# Altium PCB Controller.PcbDoc (part 2 of 2)
Units mm, origin at the board's own origin, x right, y up, seen from the top; angles counter-clockwise.
Board outline 95 x 95 mm, 4 copper layers (Top Layer, Layer 1, Layer 2, Bottom Layer), stack 0.603 mm thick; 159 components, 142 nets, 467 pads, 252 vias.
Unrouted connection lines stored in the file: 41.
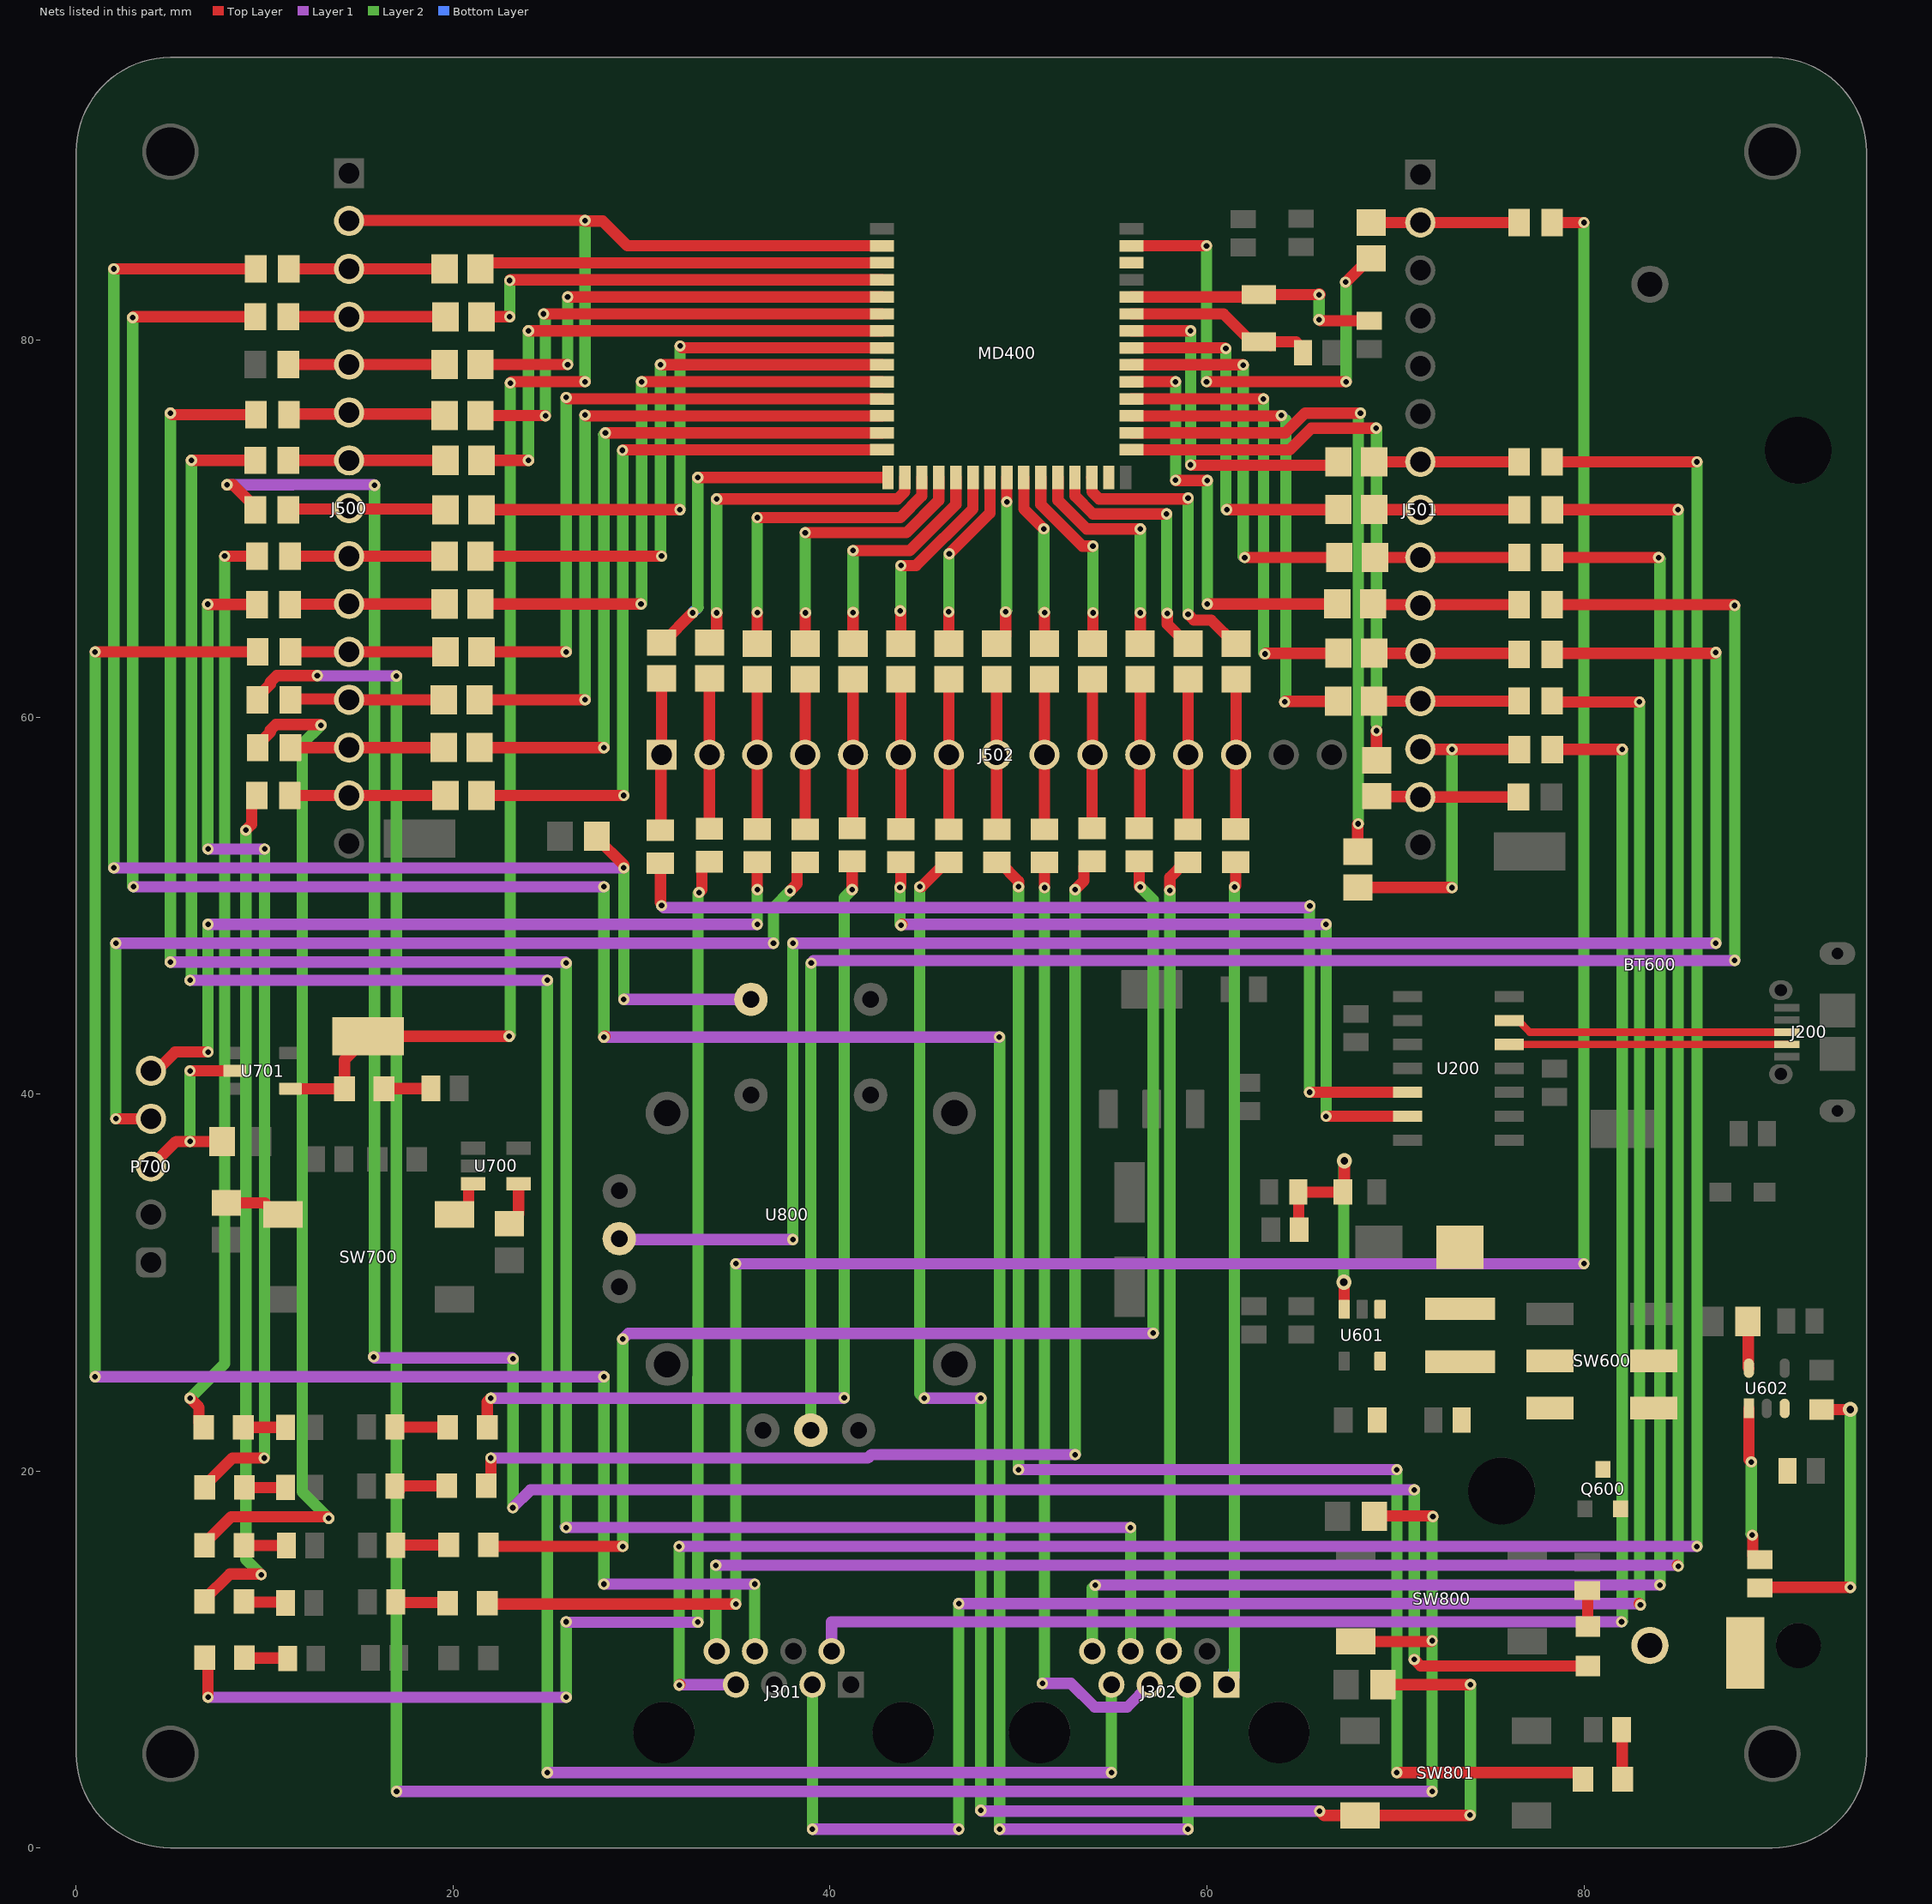
[diagram p4: the nets of this part, all layers, seen from the top]

## Via types
v1: diameter 0.6, hole 0.3, Top Layer to Bottom Layer, 239 vias
v2: diameter 0.8, hole 0.4, Top Layer to Bottom Layer, 9 vias
v3: diameter 1.27, hole 0.711, Top Layer to Bottom Layer, 4 vias

## Nets (pads, with @x,y where several pads share a name; then routed paths per layer and width w, separated by ;. In a path a pad name is that pad's centre, name@x,y a point inside that pad or via, vN(x,y) a via of type N, cw(c..) or ccw(c..) an arc to the next point about the centre after c; other vN are vias at no path point) (continued)
J5.1: J302.3 R500.2 | length 150.5
  Top Layer w0.6: v1(3,81.195) 3.044,81.239 R500.2@9.5,81.239 ; v1(28,43.02) v1@28.049,43.069
  Layer 1 w0.6: v1(3.035,51) v1(28,51) ; v1(28,43.02) 48.978,43.02 v1(48.985,43.027) ; v1(49,1) v1(58.994,1)
  Layer 2 w0.6: v1@3,51.035 v1(3,81.195) ; v1(28,43.02) v1(28,51) ; v1(48.985,43.027) 48.995,43.016 48.995,1.005 v1(49,1) ; J302.3@58.955,8.628 58.994,8.588 v1(58.994,1)
  Bottom Layer w0.6: v1@3,51.035 v1(3.035,51) ; J302.3@58.955,8.628 J302.3@58.994,8.667
J5.2: J302.6 R502.2 | length 121.2
  Top Layer w0.6: v1(5,76.126) 5.086,76.04 R502.2@9.54,76.04
  Layer 1 w0.6: v1(5,47) 25.951,47 v1(26,46.951) ; v1(26,17) v1(55.946,17)
  Layer 2 w0.6: v1(5,47) v1(5,76.126) ; v1(26,17) v1(26,46.951) ; J302.6@55.946,10.445 v1(55.946,17)
  Bottom Layer w0.6: v1@25.951,17.049 v1(26,17)
J5.3: J302.7 R504.2 | length 126.6
  Top Layer w0.6: v1(6.117,73.619) R504.2@9.5,73.619
  Layer 1 w0.6: v1(6.038,46.041) v1(25,46.041) ; v1(25,4) v1(54.93,4)
  Layer 2 w0.6: v1@6.117,46.121 v1(6.117,73.619) ; v1(25,4) v1(25,46.041) ; v1(54.93,4) J302.7@54.93,8.667
  Bottom Layer w0.6: v1(6.038,46.041) v1@6.117,46.121
J9.0: J302.1 R522.2 | length 43.8
  Top Layer w0.6: v1(61.46,50.981) 61.529,51.05 R522.2@61.529,52.299
  Layer 2 w0.6: 61.46,9.413 v1(61.46,50.981)
  Bottom Layer w0.6: J302.1@61.026,8.667 61.421,9.062 61.421,9.375 61.46,9.413
J9.1: J302.4 R521.2 | length 42.3
  Top Layer w0.6: v1(58.032,50.806) 58.032,51.488 58.836,52.292 R521.2@58.986,52.292
  Layer 2 w0.6: J302.4@58,10.467 58.032,10.498 v1(58.032,50.806)
J9.2: J302.5 R520.2 | length 50.3
  Top Layer w0.6: v1(51.38,50.951) R520.2@51.38,52.292
  Layer 1 w0.6: v1(51.268,8.737) 52.778,8.737 54.044,7.472 55.767,7.472 J302.5@56.962,8.667
  Layer 2 w0.6: v1@51.38,8.849 v1(51.38,50.951)
  Bottom Layer w0.6: v1(51.268,8.737) v1@51.38,8.849
J9.3: J302.8 R507.2 | length 93.8
  Top Layer w0.6: R507.2@78.324,68.46 v1(83.965,68.46)
  Layer 1 w0.6: v1(54.069,13.938) 54.082,13.951 v1(84.037,13.951)
  Layer 2 w0.6: J302.8@54.044,10.574 53.914,10.704 53.914,13.783 v1(54.069,13.938) ; v1(84.037,13.951) v1@84.037,68.388
  Bottom Layer w0.6: J302.8@53.914,10.445 J302.8@54.044,10.574 ; v1(83.965,68.46) v1@84.037,68.388
J10.0: J301.2 R513.2 | length 93.5
  Top Layer w0.6: R513.2@78.324,58.277 78.336,58.288 v1(82.035,58.288)
  Layer 1 w0.6: J301.2@40.08,10.445 40.08,12 v1(82,12)
  Layer 2 w0.6: v1@82.035,12.035 v1(82.035,58.288)
  Bottom Layer w0.6: v1(82,12) v1@82.035,12.035
J10.1: J301.3 R511.2 | length 116.2
  Top Layer w0.6: R511.2@78.313,60.854 78.362,60.805 v1(82.951,60.805) ; v1@82.937,12.964 v1(83,12.901)
  Layer 1 w0.6: v1(39.064,1) v1(46.83,1) ; v1(46.83,12.964) v1@82.937,12.964
  Layer 2 w0.6: v1(39.064,1) J301.3@39.064,8.667 ; v1(46.83,1) v1(46.83,12.964) ; v1@82.951,12.95 v1(82.951,60.805)
  Bottom Layer w0.6: v1(46.83,12.964) v1@46.845,12.949 ; v1@82.951,12.95 v1(83,12.901)
J10.2: J301.6 R510.2 | length 96.6
  Top Layer w0.6: v1(1,63.459) R510.2@9.625,63.459
  Layer 1 w0.6: v1(1,25) v1(28,25) ; v1(28,14) v1(36,14)
  Layer 2 w0.6: v1(1,25) v1(1,63.459) ; v1(28,14) v1(28,25) ; v1(36,14) 36.002,13.998 J301.6@36.002,10.459
  Bottom Layer w0.6: J301.6@36.002,10.459 J301.6@36.016,10.445
J10.3: J301.7 R503.2 | length 129.6
  Top Layer w0.6: v1(32,8.638) v1@32.029,8.667 ; R503.2@78.313,73.54 v1(86,73.54)
  Layer 1 w0.6: v1(31.989,16) v1(86,16) ; v1@32.029,8.667 J301.7@35,8.667
  Layer 2 w0.6: v1(31.989,16) 31.989,10.114 32,10.103 v1(32,8.638) ; v1(86,16) v1(86,73.54)
J10.4: J301.8 R505.2 | length 118.4
  Top Layer w0.6: R505.2@78.324,71 84.996,71 v1(85,71.004) ; v1@84.96,15 v1(85.009,14.951)
  Layer 1 w0.6: v1(33.935,15) v1@84.96,15
  Layer 2 w0.6: J301.8@33.935,10.494 v1(33.935,15) ; v1@85,14.96 v1(85,71.004)
  Bottom Layer w0.6: J301.8@33.935,10.494 J301.8@33.984,10.445 ; v1@85,14.96 v1(85.009,14.951)
JS_HOR: R508.2 U800.H2 | length 102.4
  Top Layer w0.6: R508.2@78.313,65.96 87.96,65.96 v1(88,65.92)
  Layer 1 w0.6: v1(39,46.951) 39.128,47.078 87.983,47.078 v1(88,47.096)
  Layer 2 w0.6: U800.H2@38.977,22.166 38.977,46.928 v1(39,46.951) ; v1(88,47.096) v1(88,65.92)
JS_PB: R523.2 R814.1 U800.B1A | length 83.1
  Top Layer w0.6: v1(2,83.779) R523.2@9.525,83.779 R523.2@9.525,83.629 ; R814.1@27.997,54.162 27.622,53.787 R814.1@27.622,53.687 27.622,53.587 29.053,52.156 v1(29.053,52)
  Layer 1 w0.6: v1(2,52) v1(29.053,52) ; v1(29.053,45.026) U800.B1A@35.802,45.026
  Layer 2 w0.6: v1(2,52) v1(2,83.779) ; v1(29.053,45.026) v1(29.053,52)
JS_VERT: R509.2 U800.V2 | length 98.1
  Top Layer w0.6: R509.2@78.313,63.331 78.539,63.331 78.588,63.38 86.954,63.38 v1(87,63.426)
  Layer 1 w0.6: U800.V2@28.817,32.326 28.864,32.279 v1(38.025,32.279) ; v1(38.025,48) v1(87,48)
  Layer 2 w0.6: v1(38.025,32.279) v1(38.025,48) ; v1(87,48) v1(87,63.426)
MCP_URX: R514.2 U200.5 | length 51.7
  Top Layer w0.6: v1@31,50.148 R514.2@31,52.25 ; v1(65.442,40.099) 65.45,40.09 U200.5@70.64,40.09
  Layer 1 w0.6: v1(31.06,50) 31.167,49.893 65.37,49.893 v1(65.459,49.981)
  Layer 2 w0.6: v1(65.442,40.099) v1@65.442,49.964
  Bottom Layer w0.6: v1@65.442,49.964 v1(65.459,49.981)
MCP_UTX: R517.2 U200.6 | length 40.5
  Top Layer w0.6: v1(43.711,50.963) 43.753,51.006 43.753,52.292 R517.2@43.76,52.299 ; v1(43.769,48.958) v1@43.81,49 ; v1(66.318,38.82) U200.6@70.64,38.82
  Layer 1 w0.6: v1@43.81,49 v1(66.318,49)
  Layer 2 w0.6: v1@43.711,49.016 v1(43.711,50.963) ; v1(66.318,38.82) v1(66.318,49)
  Bottom Layer w0.6: v1@43.711,49.016 v1(43.769,48.958)
MR: SW700.2 U700.3 | length 2.4
  Top Layer w0.6: SW700.2@20.095,33.635 SW700.2@20.07,33.61 20.42,33.61 20.82,34.01 20.82,35.185 20.87,35.235 U700.3@21.07,35.235
P0.0: C400.2 MD400.5 Y400.1 | length 14.2
  Top Layer w0.6: MD400.5@56,82.29 62.632,82.29 Y400.1@62.752,82.41 v1(65.951,82.41) ; v1(65.951,81.079) 66,81.03 C400.2@68.617,81.03 ; v1(65.951,82.41) 66,82.41 65.951,82.459 v1(65.951,82.41)
  Layer 2 w0.6: v1(65.951,81.079) v1(65.951,82.41)
P0.1: C401.2 MD400.6 Y400.2 | length 10.4
  Top Layer w0.6: MD400.6@56,81.39 60.872,81.39 62.352,79.91 Y400.2@62.752,79.91 Y400.2@63.152,79.91 ; Y400.2@63.352,79.71 Y400.2@63.152,79.91 ; C401.2@65.098,79.332 65.098,79.532 64.72,79.91 Y400.2@63.152,79.91
P0.4: J500.3 R408.1 R523.1 | length 8.3
  Top Layer w0.6: R523.1@11.275,83.779 J500.3@14.482,83.779 R408.1@19.55,83.779
P0.5: J501.2 R410.1 R524.1 | length 7.8
  Top Layer w0.6: R410.1@68.716,86.24 J501.2@71.319,86.24 71.321,86.238 76.561,86.238 R524.1@76.563,86.235
P5.0: J500.5 R412.1 R501.1 | length 8.3
  Top Layer w0.6: R501.1@11.25,78.699 J500.5@14.482,78.699 R412.1@19.55,78.699
P5.1: J500.4 R414.1 R500.1 | length 8.4
  Top Layer w0.6: R500.1@11.25,81.239 J500.4@14.482,81.239 R414.1@19.6,81.239
P5.2: J500.6 R416.1 R502.1 | length 8.4
  Top Layer w0.6: R502.1@11.25,76 11.329,76.079 14.402,76.079 J500.6@14.482,76.159 14.561,76.079 19.471,76.079 R416.1@19.55,76
P5.3: J500.7 R418.1 R504.1 | length 8.4
  Top Layer w0.6: R504.1@11.25,73.619 J500.7@14.482,73.619 R418.1@19.6,73.619
P5.4: J502.5 R420.1 R531.1 | length 7.9
  Top Layer w0.6: R531.1@41.171,54.095 41.195,54.12 41.195,57.975 J502.5@41.22,58 R420.1@41.22,62
P5.5: J500.8 R422.1 R506.1 | length 8.4
  Top Layer w0.6: R506.1@11.25,71 11.289,71.039 14.442,71.039 J500.8@14.482,71.079 14.521,71.039 19.561,71.039 R422.1@19.6,71
P5.6: J500.12 R424.1 R512.1 | length 8
  Top Layer w0.6: R512.1@11.5,61 11.541,60.959 14.441,60.959 J500.12@14.482,60.919 R424.1@19.5,60.919
P6.2: J502.2 R427.1 R530.1 | length 8
  Top Layer w0.6: R530.1@33.6,54.071 J502.2@33.6,58 R427.1@33.6,62.05
P6.3: J500.14 R429.1 R528.1 | length 8.3
  Top Layer w0.6: R528.1@11.331,55.834 11.334,55.837 14.48,55.837 J500.14@14.482,55.839 R429.1@19.6,55.839
P6.4: J502.6 R430.1 R517.1 | length 8
  Top Layer w0.6: R517.1@43.76,54.049 J502.6@43.76,58 R430.1@43.76,62
P6.5: J502.1 R431.1 R514.1 | length 8.1
  Top Layer w0.6: R514.1@31,54 31.03,54.03 31.03,57.97 J502.1@31.06,58 R431.1@31.06,62.05
P6.6: J502.3 R432.1 R515.1 | length 8
  Top Layer w0.6: R515.1@36.14,54.049 J502.3@36.14,58 R432.1@36.14,62
P6.7: J502.4 R433.1 R516.1 | length 8
  Top Layer w0.6: R516.1@38.68,54.042 J502.4@38.68,58 R433.1@38.68,62
P7.1: J502.7 R400.2 R518.1 | length 8
  Top Layer w0.6: R518.1@46.3,54.042 J502.7@46.3,58 R400.2@46.3,62
P7.2: J502.8 R401.2 R519.1 | length 8
  Top Layer w0.6: R401.2@48.84,62 J502.8@48.84,58 48.842,57.998 48.842,54.044 R519.1@48.844,54.042
P7.7: J500.13 R402.2 R527.1 | length 8.1
  Top Layer w0.6: R527.1@11.375,58.379 J500.13@14.482,58.379 R402.2@19.5,58.379
P9.0: J502.13 R403.2 R522.1 | length 8
  Top Layer w0.6: R522.1@61.529,54.049 61.535,54.054 61.535,57.995 J502.13@61.54,58 R403.2@61.54,62
P9.1: J502.12 R404.2 R521.1 | length 8
  Top Layer w0.6: R521.1@58.986,54.042 58.993,54.049 58.993,57.993 J502.12@59,58 R404.2@59,62
P9.2: J502.9 R405.2 R520.1 | length 8
  Top Layer w0.6: R520.1@51.38,54.042 J502.9@51.38,58 R405.2@51.38,62
P9.3: J501.9 R406.2 R507.1 | length 7.7
  Top Layer w0.6: R406.2@68.918,68.467 68.922,68.464 71.315,68.464 J501.9@71.319,68.46 R507.1@76.574,68.46
P9.4: J501.14 R407.2 R529.1 | length 7.5
  Top Layer w0.6: R407.2@69,55.81 69.025,55.785 71.294,55.785 J501.14@71.319,55.76 R529.1@76.528,55.76
P9.5: J502.11 R409.2 R533.1 | length 7.9
  Top Layer w0.6: R533.1@56.411,54.095 56.435,54.12 56.435,57.975 J502.11@56.46,58 R409.2@56.46,62
P9.6: J502.10 R411.2 R532.1 | length 7.9
  Top Layer w0.6: R532.1@53.896,54.095 53.908,54.107 53.908,57.988 J502.10@53.92,58 R411.2@53.92,62
P10.0: J501.13 R413.2 R513.1 | length 17.6
  Top Layer w0.6: R413.2@68.003,50.963 72.988,50.963 v1(73,50.951) ; J501.13@71.319,58.3 71.33,58.288 v1(73,58.288) 76.563,58.288 R513.1@76.574,58.277
  Layer 2 w0.6: v1(73,50.951) v1(73,58.288)
P10.1: J501.12 R415.2 R511.1 | length 7.7
  Top Layer w0.6: R415.2@68.86,60.84 J501.12@71.319,60.84 71.326,60.847 76.556,60.847 R511.1@76.563,60.854
P10.2: J500.11 R417.2 R510.1 | length 8.2
  Top Layer w0.6: R510.1@11.375,63.459 J500.11@14.482,63.459 R417.2@19.6,63.459
P10.3: J501.7 R419.2 R503.1 | length 7.7
  Top Layer w0.6: R419.2@68.868,73.547 68.872,73.544 71.315,73.544 J501.7@71.319,73.54 R503.1@76.563,73.54
P10.4: J501.8 R421.2 R505.1 | length 7.7
  Top Layer w0.6: R421.2@68.868,71.007 68.872,71.004 71.315,71.004 J501.8@71.319,71 R505.1@76.563,71
P10.5: J501.11 R423.2 R509.1 | length 7.7
  Top Layer w0.6: R423.2@68.868,63.387 68.872,63.384 71.315,63.384 J501.11@71.319,63.38 R509.1@76.563,63.38
P10.6: J501.10 R425.2 R508.1 | length 7.8
  Top Layer w0.6: R425.2@68.818,66.007 68.862,65.964 71.275,65.964 J501.10@71.319,65.92 ; J501.10@71.319,65.96 R508.1@76.563,65.96
P12.6: J500.10 R426.2 R526.1 | length 8.2
  Top Layer w0.6: R526.1@11.35,65.972 11.363,65.986 14.469,65.986 J500.10@14.482,65.999 ; J500.10@14.482,65.999 R426.2@19.549,65.999
P12.7: J500.9 R428.2 R525.1 | length 8.2
  Top Layer w0.6: R525.1@11.35,68.539 J500.9@14.482,68.539 R428.2@19.55,68.539
PB_IN1: R512.2 R802.1 SW800.2 | length 144
  Top Layer w0.6: R512.2@9.621,60.921 9.621,61.071 10.296,61.746 10.296,61.853 10.64,62.196 v1(12.792,62.196) ; SW800.2@67.896,10.959 71.907,10.959 v1(71.948,11) ; R802.1@68.894,17.614 71.957,17.614 v1(71.989,17.582)
  Layer 1 w0.6: v1(12.792,62.196) 12.807,62.181 16.983,62.181 v1(16.986,62.177) ; v1(17,3) v1(71.948,3)
  Layer 2 w0.6: v1(16.986,62.177) 16.986,3.014 v1(17,3) ; v1(71.948,3) v1(71.948,11) 71.948,17.541 v1(71.989,17.582)
PB_IN2: R518.2 R803.1 SW801.2 | length 91.8
  Top Layer w0.6: v1(44.76,51) 44.858,51 46.15,52.292 R518.2@46.3,52.292 ; v1(65.978,1.955) 66.209,1.724 73.94,1.724 v1(73.959,1.742) ; R803.1@69.332,8.667 73.972,8.667 v1(73.979,8.674)
  Layer 1 w0.6: v1(45,23.861) v1(48,23.861) ; v1(48,2) 48.045,1.955 v1(65.978,1.955)
  Layer 2 w0.6: v1(44.76,51) 44.76,24.101 v1(45,23.861) ; v1(48,2) v1(48,23.861) ; v1(73.959,1.742) 73.979,1.762 v1(73.979,8.674)
PB_RST: R700.1 SW700.1 | length 3.3
  Top Layer w0.6: R700.1@7.97,34.224 10.006,34.224 10.62,33.61 SW700.1@10.97,33.61
PRG_RESET_N: P700.3 R704.1 U701.2 | length 10.4
  Top Layer w0.6: P700.3@4.005,36.185 5.305,37.485 R704.1@7.74,37.485 ; v1(6.038,41.23) U701.2@8.415,41.23
  Layer 2 w0.6: v1(6.038,37.485) v1(6.038,41.23)
PROG: R603.1 U602.5 | length 2.5
  Top Layer w0.6: R603.1@88.696,27.937 88.725,27.908 88.725,25.485 U602.5@88.754,25.456
R0.4: MD400.41 R408.2 | length 21.4
  Top Layer w0.6: R408.2@21.45,83.779 21.766,84.095 42.757,84.095 MD400.41@42.762,84.1
R0.5: MD400.2 R410.2 | length 25.8
  Top Layer w0.6: MD400.2@56,85 v1(59.975,85) ; v1(59.975,77.79) v1(67.382,77.79) ; v1(67.352,83.077) 67.378,83.077 68.641,84.34 R410.2@68.716,84.34
  Layer 2 w0.6: v1(59.975,77.79) v1(59.975,85) ; v1(67.382,77.79) v1@67.382,83.047
  Bottom Layer w0.6: v1(67.352,83.077) v1@67.382,83.047
R5.0: MD400.39 R412.2 | length 24.9
  Top Layer w0.6: R412.2@21.45,78.699 v1(26.079,78.699) ; v1(26.079,82.29) MD400.39@42.762,82.29
  Layer 2 w0.6: v1(26.079,78.699) v1(26.079,82.29)
R5.1: MD400.40 R414.2 | length 23.2
  Top Layer w0.6: R414.2@21.5,81.239 v1(23,81.239) ; v1(23,83.165) 23.035,83.2 MD400.40@42.762,83.2
  Layer 2 w0.6: v1(23,81.239) v1(23,83.165)
R5.2: MD400.38 R416.2 | length 26.9
  Top Layer w0.6: R416.2@21.45,76 24.88,76 v1(24.9,75.98) ; v1(24.8,81.39) MD400.38@42.762,81.39
  Layer 2 w0.6: v1(24.9,75.98) v1@24.9,81.29
  Bottom Layer w0.6: v1(24.8,81.39) v1@24.9,81.29
R5.3: MD400.37 R418.2 | length 28.1
  Top Layer w0.6: R418.2@21.5,73.619 v1(24,73.619) ; v1(24,80.49) MD400.37@42.762,80.49
  Layer 2 w0.6: v1(24,73.619) v1(24,80.49)
R5.4: MD400.25 R420.2 | length 12.8
  Top Layer w0.6: R420.2@41.22,63.9 v1(41.22,65.549) ; v1(41.22,68.837) 44.238,68.837 46.676,71.275 46.676,72.706 MD400.25@46.681,72.711
  Layer 2 w0.6: v1(41.22,65.549) v1(41.22,68.837)
R5.5: MD400.36 R422.2 | length 30
  Top Layer w0.6: R422.2@21.5,71 v1(32.035,71) ; v1(32.044,79.69) 32.144,79.59 MD400.36@42.762,79.59
  Layer 2 w0.6: v1@32.044,71.009 v1(32.044,79.69)
  Bottom Layer w0.6: v1(32.035,71) v1@32.044,71.009
R5.6: MD400.32 R424.2 | length 36.5
  Top Layer w0.6: R424.2@21.4,60.919 v1(27,60.919) ; v1(27,76.027) 27.047,75.98 MD400.32@42.762,75.98
  Layer 2 w0.6: v1(27,60.919) v1(27,76.027)
R6.2: MD400.28 R427.2 | length 18.7
  Top Layer w0.6: R427.2@33.6,63.95 33.986,64.336 v1(33.986,65.534) ; v1(33.986,71.576) 43.583,71.576 43.966,71.959 43.966,72.706 MD400.28@43.971,72.711
  Layer 2 w0.6: v1(33.986,65.534) v1(33.986,71.576)
R6.3: MD400.30 R429.2 | length 39.7
  Top Layer w0.6: R429.2@21.5,55.839 v1(29.053,55.839) ; v1(28.984,74.156) 29.008,74.18 MD400.30@42.762,74.18
  Layer 2 w0.6: v1@29,55.892 v1@29,74.14
  Bottom Layer w0.6: v1(28.984,74.156) v1@29,74.14 ; v1@29,55.892 v1(29.053,55.839)
R6.4: MD400.24 R430.2 | length 10.9
  Top Layer w0.6: v1(43.719,65.633) 43.76,65.593 R430.2@43.76,63.9 ; v1(43.76,68.037) 44.57,68.037 47.581,71.048 MD400.24@47.581,72.711
  Layer 2 w0.6: v1@43.76,65.674 v1(43.76,68.037)
  Bottom Layer w0.6: v1(43.719,65.633) v1@43.76,65.674
R6.5: MD400.29 R431.2 | length 19.7
  Top Layer w0.6: R431.2@31.06,63.95 31.135,63.95 v1(32.719,65.534) ; v1(32.986,72.711) MD400.29@43.071,72.711
  Layer 2 w0.6: 32.986,65.801 v1(32.986,72.711)
  Bottom Layer w0.6: v1(32.719,65.534) 32.986,65.801
R6.6: MD400.27 R432.2 | length 16.9
  Top Layer w0.6: R432.2@36.14,63.9 v1(36.14,65.549) ; v1(36.14,70.581) 43.719,70.581 44.866,71.728 44.866,72.706 MD400.27@44.871,72.711
  Layer 2 w0.6: v1(36.14,65.549) v1(36.14,70.581)
R6.7: MD400.26 R433.2 | length 14.9
  Top Layer w0.6: R433.2@38.68,63.9 38.68,65.514 v1(38.7,65.534) ; v1(38.68,69.781) 44.051,69.781 45.766,71.496 45.766,72.706 MD400.26@45.771,72.711
  Layer 2 w0.6: v1@38.68,65.554 v1(38.68,69.781)
  Bottom Layer w0.6: v1@38.68,65.554 v1(38.7,65.534)
R7.1: MD400.23 R400.1 | length 9.7
  Top Layer w0.6: R400.1@46.3,63.9 v1(46.3,65.583) ; v1(46.324,68.66) 48.481,70.817 MD400.23@48.481,72.711
  Layer 2 w0.6: v1(46.3,65.583) v1@46.3,68.636
  Bottom Layer w0.6: v1@46.3,68.636 v1(46.324,68.66)
R7.2: MD400.22 R401.1 | length 9.1
  Top Layer w0.6: R401.1@48.84,63.9 48.915,63.9 49.315,64.3 v1(49.315,65.584) ; v1(49.381,71.419) MD400.22@49.381,72.711
  Layer 2 w0.6: v1@49.381,65.65 v1(49.381,71.419)
  Bottom Layer w0.6: v1(49.315,65.584) v1@49.381,65.65
R7.7: MD400.31 R402.1 | length 38
  Top Layer w0.6: R402.1@21.4,58.379 v1(28,58.379) ; v1(28.079,75.08) MD400.31@42.762,75.08
  Layer 2 w0.6: v1(28,58.379) v1@28,75.001
  Bottom Layer w0.6: v1@28,75.001 v1(28.079,75.08)
R9.0: MD400.17 R403.1 | length 15.4
  Top Layer w0.6: MD400.17@53.891,72.711 53.896,72.706 53.896,71.959 54.279,71.576 58.962,71.576 v1(59,71.614) ; v1(59,65.45) 59.305,65.145 60.22,65.145 61.465,63.9 R403.1@61.54,63.9
  Layer 2 w0.6: v1(59,65.45) v1(59,71.614)
R9.1: MD400.18 R404.1 | length 13.6
  Top Layer w0.6: MD400.18@52.991,72.711 52.996,72.706 52.996,71.728 53.948,70.776 v1(57.854,70.776) ; v1(57.898,65.503) 57.898,64.927 58.925,63.9 R404.1@59,63.9
  Layer 2 w0.6: v1@57.854,65.548 v1(57.854,70.776)
  Bottom Layer w0.6: v1@57.854,65.548 v1(57.898,65.503)
R9.2: MD400.21 R405.1 | length 9.3
  Top Layer w0.6: MD400.21@50.281,72.711 50.281,71.048 v1(51.342,69.987) ; R405.1@51.38,63.9 v1(51.38,65.549)
  Layer 2 w0.6: v1@51.342,65.586 v1(51.342,69.987)
  Bottom Layer w0.6: v1@51.342,65.586 v1(51.38,65.549)
R9.3: MD400.9 R406.1 | length 21.2
  Top Layer w0.6: MD400.9@56,78.69 61.911,78.69 v1(61.926,78.675) ; v1(62,68.46) R406.1@67.063,68.46
  Layer 2 w0.6: v1@61.926,68.534 v1(61.926,78.675)
  Bottom Layer w0.6: v1@61.926,68.534 v1(62,68.46)
R9.4: MD400.14 R407.1 | length 30.7
  Top Layer w0.6: MD400.14@56,74.18 64.391,74.18 65.536,75.325 v1(68.973,75.325) ; R407.1@69,57.71 v1(69,59.276)
  Layer 2 w0.6: 69,59.611 v1@69,75.297
  Bottom Layer w0.6: v1(68.973,75.325) v1@69,75.297
R9.5: MD400.19 R409.1 | length 12.3
  Top Layer w0.6: MD400.19@52.091,72.711 52.096,72.706 52.096,71.496 53.616,69.976 v1(56.46,69.976) ; R409.1@56.46,63.9 v1(56.46,65.534)
  Layer 2 w0.6: v1(56.46,65.534) v1(56.46,69.976)
R9.6: MD400.20 R411.1 | length 10.3
  Top Layer w0.6: MD400.20@51.181,72.711 51.186,72.706 51.186,71.275 53.387,69.074 v1(53.948,69.074) ; R411.1@53.92,63.9 53.948,63.928 53.948,65.532 v1(53.95,65.534)
  Layer 2 w0.6: v1@53.948,65.536 v1(53.948,69.074)
  Bottom Layer w0.6: v1@53.948,65.536 v1(53.95,65.534)
R10.0: MD400.13 R413.1 | length 36.1
  Top Layer w0.6: MD400.13@56,75.08 64.16,75.08 65.204,76.125 v1(68.146,76.125) ; R413.1@68.003,52.863 68,52.866 68,54.311 v1(68.027,54.338)
  Layer 2 w0.6: v1(68.027,54.338) 68.027,76.006 v1(68.146,76.125)
  Bottom Layer w0.6: v1@68.009,75.988 v1(68.146,76.125)
R10.1: MD400.12 R415.1 | length 26
  Top Layer w0.6: MD400.12@56,75.98 63.928,75.98 v1(63.948,76) ; v1(64.123,60.805) 64.151,60.833 R415.1@67.005,60.833
  Layer 2 w0.6: v1@64.181,60.972 64.181,75.767
  Bottom Layer w0.6: v1(63.948,76) 64.181,75.767
R10.2: MD400.33 R417.1 | length 34.8
  Top Layer w0.6: R417.1@21.5,63.459 v1(26,63.459) ; v1(26,76.959) 26.079,76.88 MD400.33@42.762,76.88
  Layer 2 w0.6: v1(26,63.459) v1(26,76.959)
R10.3: MD400.7 R419.1 | length 18.2
  Top Layer w0.6: MD400.7@56,80.49 v1(59.132,80.49) ; v1(59.132,73.38) 59.158,73.354 66.797,73.354 R419.1@67.013,73.57
  Layer 2 w0.6: v1(59.132,73.38) v1(59.132,80.49)
R10.4: MD400.8 R421.1 | length 19.5
  Top Layer w0.6: MD400.8@56,79.59 60.962,79.59 v1(61,79.552) ; v1(61.05,71) R421.1@66.968,71
  Layer 2 w0.6: v1@61,71.05 v1(61,79.552)
  Bottom Layer w0.6: v1@61,71.05 v1(61.05,71)
R10.5: MD400.11 R423.1 | length 24.5
  Top Layer w0.6: MD400.11@56,76.88 v1(63,76.88) ; v1(63.077,63.347) 63.11,63.38 R423.1@67.013,63.38
  Layer 2 w0.6: v1(63,76.88) 63,63.424 v1(63.077,63.347)
R10.6: MD400.10 R425.1 | length 22.7
  Top Layer w0.6: MD400.10@56,77.79 v1(58.332,77.79) ; v1(58.332,72.565) 58.343,72.554 v1(60.017,72.554) ; v1(60.017,66) R425.1@66.963,66
  Layer 2 w0.6: v1(58.332,72.565) v1(58.332,77.79) ; v1(60.017,66) v1(60.017,72.554)
R12.6: MD400.34 R426.1 | length 33.1
  Top Layer w0.6: R426.1@21.45,66 29.966,66 v1(29.967,65.999) ; v1(30,77.79) MD400.34@42.762,77.79
  Layer 2 w0.6: v1@30,66.032 v1(30,77.79)
  Bottom Layer w0.6: v1(29.967,65.999) v1@30,66.032
R12.7: MD400.35 R428.1 | length 31.6
  Top Layer w0.6: R428.1@21.45,68.539 v1(31.06,68.539) ; v1(31,78.699) 31.009,78.69 MD400.35@42.762,78.69
  Layer 2 w0.6: v1@31,68.599 v1(31,78.699)
  Bottom Layer w0.6: v1@31,68.599 v1(31.06,68.539)
STAT: R604.2 U602.1 | length 8.4
  Top Layer w0.6: U602.1@88.754,23.323 88.754,20.609 v1(88.883,20.481) ; v1(88.932,16.6) 88.962,16.57 88.962,15.507 89.162,15.307 R604.2@89.337,15.307
  Layer 2 w0.6: v1@88.883,16.649 v1(88.883,20.481)
  Bottom Layer w0.6: v1@88.883,16.649 v1(88.932,16.6)
STAT_R: D601.1 R604.1 | length 15.6
  Top Layer w0.6: R604.1@89.519,13.828 v1(94.136,13.828) ; D601.1@92.608,23.257 92.613,23.262 94.131,23.262 v2(94.136,23.267)
  Layer 2 w0.6: v1(94.136,13.828) v2(94.136,23.267)
STATUS_LED1: D802.2 R525.2 | length 49
  Top Layer w0.6: v1(6.038,23.861) 6.517,23.381 6.517,22.565 D802.2@6.767,22.315 ; v1(7.879,68.539) R525.2@9.6,68.539
  Layer 2 w0.6: v1(6.038,23.861) 7.879,25.702 v1(7.879,68.539)
STATUS_LED1_R: D802.1 R804.1 | length 2.2
  Top Layer w0.6: D802.1@8.867,22.315 R804.1@11.117,22.315
STATUS_LED2: D803.2 R526.2 | length 54.8
  Top Layer w0.6: D803.2@6.817,19.125 6.817,19.225 8.282,20.689 v1(9.973,20.689) ; v1(6.976,65.986) 6.989,65.972 R526.2@9.6,65.972
  Layer 1 w0.6: v1(6.995,53) v1(10,53)
  Layer 2 w0.6: v1(6.976,65.986) 6.976,53.02 v1(6.995,53) ; v1(9.973,20.689) 10,20.716 v1(10,53)
STATUS_LED2_R: D803.1 R805.1 | length 2.2
  Top Layer w0.6: D803.1@8.917,19.125 R805.1@11.117,19.125
STATUS_LED3: D804.2 R527.2 | length 54.4
  Top Layer w0.6: D804.2@6.804,16.055 6.804,16.155 8.218,17.569 13.323,17.569 v1(13.398,17.494) ; R527.2@9.625,58.379 9.625,58.529 10.3,59.204 10.3,59.311 10.593,59.604 12.952,59.604 v1(12.989,59.567)
  Layer 2 w0.6: v1(12.989,59.567) 11.991,58.57 11.991,18.9 v1(13.398,17.494)
STATUS_LED3_R: D804.1 R806.1 | length 2.3
  Top Layer w0.6: D804.1@8.907,16.053 R806.1@11.156,16.053 ; D804.1@9.05,16.1 D804.1@9.053,16.097 ; R806.1@11.301,16.097 R806.1@11.304,16.094
STATUS_LED4: D805.2 R528.2 | length 45.6
  Top Layer w0.6: D805.2@6.804,13.087 6.804,13.187 8.156,14.539 9.776,14.539 v1(9.815,14.5) ; v1(9,54) 9.306,54.306 9.306,55.559 R528.2@9.581,55.834
  Layer 2 w0.6: v1(9,54) 9,15.315 v1(9.815,14.5)
STATUS_LED4_R: D805.1 R807.1 | length 2.2
  Top Layer w0.6: D805.1@8.948,13.044 R807.1@11.066,13.044 ; D805.1@9.05,13.1 D805.1@9.094,13.056 ; R807.1@11.211,13.056 R807.1@11.255,13.012
STATUS_LED5: D806.2 R530.2 | length 72.8
  Top Layer w0.6: D806.2@6.95,10.1 6.995,10.054 v1(6.995,8) ; v1(33.048,50.693) 33.201,50.846 33.201,52.046 33.476,52.321 R530.2@33.6,52.321
  Layer 1 w0.6: v1(6.995,8) v1(26,8) ; v1(26,12) 26.02,11.98 v1(32.985,11.98)
  Layer 2 w0.6: v1(26,8) v1(26,12) ; v1(32.985,11.98) 32.985,24.963 33,24.978 33,50.645 v1(33.048,50.693)
STATUS_LED5_R: D806.1 R808.1 | length 2.3
  Top Layer w0.6: D806.1@8.944,10.077 R808.1@11.185,10.077 ; D806.1@9.05,10.1 D806.1@9.077,10.073 ; R808.1@11.318,10.073 R808.1@11.344,10.046
STATUS_LED6: D807.2 R531.2 | length 49
  Top Layer w0.6: D807.2@21.813,22.319 21.813,23.673 v1(22,23.861) ; v1(41.171,50.846) R531.2@41.171,52.345
  Layer 1 w0.6: v1(22,23.861) 40.731,23.861 v1(40.753,23.883)
  Layer 2 w0.6: v1(40.753,23.883) 40.753,50.428 v1(41.171,50.846)
STATUS_LED6_R: D807.1 R809.1 | length 2.8
  Top Layer w0.6: R809.1@16.92,22.331 D807.1@19.7,22.331
STATUS_LED7: D808.2 R532.2 | length 64.6
  Top Layer w0.6: D808.2@21.763,19.228 22,19.465 v1(22,20.689) ; v1(53,50.844) 53.471,51.315 53.471,52.07 53.746,52.345 R532.2@53.896,52.345
  Layer 1 w0.6: v1(22,20.689) 42.004,20.689 42.185,20.869 v1(53,20.869)
  Layer 2 w0.6: v1(53,20.869) v1(53,50.844)
STATUS_LED7_R: D808.1 R810.1 | length 2.7
  Top Layer w0.6: R810.1@16.92,19.215 D808.1@19.65,19.215 ; R810.1@17.145,18.975 R810.1@17.157,18.988
STATUS_LED8: D809.2 R533.2 | length 71.8
  Top Layer w0.6: D809.2@21.863,16.078 21.941,16 v1(29,16) ; R533.2@56.411,52.345 56.411,51.03 v1(56.46,50.981)
  Layer 1 w0.6: v1(29,27) 29.301,27.301 57.132,27.301 v1(57.144,27.314)
  Layer 2 w0.6: v1(29,16) v1(29,27) ; v1(56.46,50.981) 57.144,50.297 v1(57.144,27.314)
STATUS_LED8_R: D809.1 R811.1 | length 2.8
  Top Layer w0.6: R811.1@16.97,16.066 D809.1@19.75,16.066 ; R811.1@17.145,15.975 R811.1@17.157,15.988
STATUS_LED9: D810.2 R524.2 | length 133.2
  Top Layer w0.6: D810.2@21.813,12.992 21.861,12.944 v1(35,12.944) ; R524.2@78.313,86.235 v1(80,86.235)
  Layer 1 w0.6: v1(35,31) v1(80,31)
  Layer 2 w0.6: v1(35,12.944) v1(35,31) ; v1(80,31) v1(80,86.235)
STATUS_LED9_R: D810.1 R812.1 | length 2.7
  Top Layer w0.6: R812.1@16.988,13.023 D810.1@19.682,13.023 ; R812.1@17.145,12.975 R812.1@17.175,12.944
SWDCLK: P700.4 R516.2 | length 51.3
  Top Layer w0.6: v1(2.102,38.69) P700.4@3.97,38.69 P700.4@4.102,38.822 ; v1(37.879,50.781) 38.255,51.158 38.255,52.017 38.53,52.292 R516.2@38.68,52.292
  Layer 1 w0.6: v1(2.102,48) v1(37,48)
  Layer 2 w0.6: v1(2.102,38.69) v1(2.102,48) ; v1(37,48) 37,49.903 v1(37.879,50.781)
SWDIO: P700.5 R515.2 | length 42.7
  Top Layer w0.6: P700.5@3.97,41.23 4.241,41.23 5.241,42.23 v1(6.995,42.23) ; R515.2@36.14,52.299 36.14,50.848 v1(36.142,50.846)
  Layer 1 w0.6: v1(6.995,49) v1(36.14,49)
  Layer 2 w0.6: v1(6.995,42.23) v1(6.995,49) ; v1(36.14,49) 36.14,50.844 v1(36.142,50.846)
USB_D_M: J200.2 U200.12 | length 14.7
  Top Layer w0.4: U200.12@76.04,42.63 76.043,42.634 J200.2@90.777,42.634
USB_D_P: J200.3 U200.13 | length 15
  Top Layer w0.4: U200.13@76.04,43.9 76.515,43.9 77.132,43.284 J200.3@90.777,43.284
USR_LED1: D800.2 R506.2 | length 138.2
  Top Layer w0.6: v1(8,72.323) 8.327,72.323 9.5,71.15 R506.2@9.5,71 ; v1(71,10) 71.344,9.656 D800.2@80.219,9.656
  Layer 1 w0.6: v1(8,72.323) 11.493,72.323 11.511,72.341 15.784,72.341 v1(15.828,72.298) ; v1(15.78,26.053) 15.834,26 23.13,26 v1(23.18,25.95) ; v1(23.166,18.052) 24.113,19 v1(71,19)
  Layer 2 w0.6: v1(15.78,26.053) 15.828,26.101 v1(15.828,72.298) ; v1(23.166,18.052) 23.18,18.066 v1(23.18,25.95) ; v1(71,10) v1(71,19)
USR_LED1_R: D800.1 R800.1 | length 1.9
  Top Layer w0.6: R800.1@80.179,13.661 80.199,13.641 80.199,11.776 D800.1@80.219,11.756
USR_LED2: D801.2 R519.2 | length 79
  Top Layer w0.6: R519.2@48.844,52.292 48.994,52.292 50,51.286 v1(50,51) ; v1(70.072,4) 79.705,4 79.955,3.75 D801.2@79.955,3.651
  Layer 1 w0.6: v1(50,20.069) v1(70.072,20.069)
  Layer 2 w0.6: v1(50,20.069) v1(50,51) ; v1(70.072,4) v1(70.072,20.069)
USR_LED2_R: D801.1 R801.1 | length 2.6
  Top Layer w0.6: 82.026,4.374 82.051,4.349 ; D801.1@82.03,3.676 R801.1@82.03,6.248
V_BAT_A: Q600.3 SW600.3 SW600.6
V_BAT_B: C605.1 L600.1 R600.2 SW600.2 SW600.5 U601.5
V_BAT_POS: BT600.P C608.1 Q600.2 U602.3 V_BAT.1
V_FB: C606.1 R601.2 R602.1 U601.3 | length 14
  Top Layer w0.6: C606.1@64.907,32.816 C606.1@64.894,32.804 64.873,32.825 64.873,34.754 64.84,34.787 R602.1@64.852,34.8 R601.2@67.204,34.8 67.288,34.884 v2(67.288,36.456) ; v2(67.259,30.016) 67.283,29.993 U601.3@67.283,28.581
  Layer 2 w0.6: v2(67.259,30.016) v2@67.259,36.426
  Bottom Layer w0.6: v2(67.259,30.016) v2@67.274,30.031 ; v2@67.259,36.426 v2(67.288,36.456)
V_SW: D600.2 L600.2 U601.1
VBACKUP: MD400.3
VREF: MD400.16
WDI: R703.1 U700.4 | length 2.3
  Top Layer w0.6: R703.1@22.974,33.127 23.47,33.623 U700.4@23.47,35.235
XRES_N: D701.2 J500.2 MD400.42 U701.4 XRES.1 | length 89.7
  Top Layer w0.6: U701.4@11.365,40.28 D701.2@14.233,40.28 14.233,41.82 XRES.1@15.482,43.069 v1(22.974,43.069) ; J500.2@14.482,86.319 14.506,86.343 v1(27,86.343) 27.024,86.319 27.933,86.319 29.252,85 MD400.42@42.762,85 ; v1(23.035,77.724) 23.101,77.79 v1(27,77.79)
  Layer 2 w0.6: v1@23.035,43.13 v1(23.035,77.724) ; v1(27,77.79) v1(27,86.343)
  Bottom Layer w0.6: v1(22.974,43.069) v1@23.035,43.13
XRES_N_R: D701.1 R702.2 | length 2.5
  Top Layer w0.6: D701.1@16.333,40.28 16.342,40.289 18.811,40.289 R702.2@18.82,40.298
pads on no net: BT600. J200.4 J301. J302. J500.15 J501.3 J501.5 J501.6 J501.15 J502.14 MH400.1 MH401.1 MH402.1 MH403.1 SW600.1 SW600.4 SW800.1 SW800.4 SW801.1 SW801.4 U200.2 U200.3 U200.7 U200.8 U200.9 U200.10 U800.B1B U800.B2B U800.S1 U800.S2 U800.S3 U800.S4

## Polygon pours and split planes (outlines as drawn)
3.3V on Top Layer "3.3V_L01_P015" (solid, remove dead copper, pour order 15): 0,95 95,95 95,0 0,0
5.0V_USB on Top Layer "T_5.0V_USB" (solid, remove dead copper, pour order 12): 88.502,32.804 95,32.804 95,24.397 88.125,24.397 88.125,27.042 85.159,27.042 85.159,28.977 84.333,28.98 84.246,35.928 88.502,35.928
V_BAT_POS on Top Layer "V_BAT_POS_L01_P011" (solid, remove dead copper, pour order 11): 87.721,18.371 87.721,24.397 95,24.397 95,18.371 95,0 76.895,0 76.78,18.371
V_BAT_B on Top Layer "V_BAT_B_L01_P004" (solid, remove dead copper, pour order 4): 88.15,24.022 88.131,27.046 68.178,27.046 68.178,19.882 75.83,19.882 75.83,23.969
V_BAT_A on Top Layer "V_BAT_A_L01_P006" (solid, remove dead copper, pour order 6): 75.83,18.371 75.83,23.706 87.721,23.706 87.721,18.371
5.0V_IN on Top Layer "T_5.0V_IN" (solid, remove dead copper, pour order 13): 93,43.13 93,32.804 88.675,32.804 88.675,43.13
V_SW on Top Layer "V_SW_L01_P003" (solid, remove dead copper, pour order 3): 77.99,27.246 78.111,27.367 78.111,34.43 71.154,34.43 71.054,34.53 70.987,34.463 70.987,30.292 68.681,30.292 68.681,27.314
5.0V on Top Layer "T_5.0" (solid, remove dead copper, pour order 14): 58.204,41.981 58.204,26.842 85.225,26.832 85.225,40.013 66.07,40.013 66,40.084 66,41.94
GND on Top Layer "GND_L01_P000" (solid, remove dead copper, pour order 0): 68.626,29.418 66.514,29.418 66.514,27.971 58.217,27.971 58.217,21.541 66.001,21.541 66.001,24.879 66.762,24.879 66.762,26.406 68.178,26.406 68.178,27.314 68.626,27.314
GND on Bottom Layer "GND_L04_P010" (solid, remove dead copper, pour order 10): 0,95 95,95 95,0 0,0

## Keep-outs
Keep-Out Layer:
  the board outline again, w0.254

## Silkscreen, mask and mechanical layers (free items; w line width, h text height)
Top Overlay:
  lines w0.254: 0.32,46.947 66.078,46.947 ; 0.41,25.95 26,25.95 ; 26.032,0.395 26.032,21.226 ; 26.482,47.049 26,46.568 26,21.105 78.044,21.105 78.044,17.034 82.118,17.034 82.118,7.805 94.618,7.805 ; 50.905,21.226 50.905,47.021 ; 65.754,0.219 65.754,21.151 ; 94.611,36.355 85.009,36.355 85.009,39.502 79.89,39.502 79.89,36.601 66.368,36.601 66.368,48.552 94.618,48.552
  text "GND" at 16.154,88.385 h1.4
  text "GND" at 72.94,88.359 h1.3
  text "XRES" at 16.155,86.017 h1.52
  text "0.5" at 73.098,85.892 h1.3
  text "0.4" at 16.471,83.373 h1.3
  text "5.1" at 16.484,80.856 h1.3
  text "3.3V" at 73.182,80.628 h1.3
  text "5.0" at 16.377,78.285 h1.3
  text "5.2" at 16.395,75.661 h1.3
  text "5.3" at 16.484,73.232 h1.3
  text "10.3" at 73.126,73.14 h1.3
  text "5.5" at 16.431,70.643 h1.3
  text "10.4" at 73.11,70.572 h1.3
  text "12.7" at 16.145,68.165 h1.3
  text "9.3" at 73.123,68.073 h1.3
  text "12.6" at 16.134,65.626 h1.3
  text "10.6" at 73.146,65.546 h1.3
  text "10.2" at 16.114,63.075 h1.3
  text "10.5" at 73.116,62.994 h1.3
  text "5.6" at 16.389,60.505 h1.3
  text "10.1" at 73.138,60.501 h1.3
  text "7.1" at 46.686,59.685 h1.15 r90
  text "6.5" at 31.402,59.641 h1.3 r90
  text "5.4" at 41.546,59.612 h1.15 r90
  text "6.4" at 44.11,59.612 h1.15 r90
  text "7.2" at 49.157,59.612 h1.15 r90
  text "6.6" at 36.45,59.588 h1.15 r90
  text "9.6" at 54.28,59.588 h1.15 r90
  text "6.7" at 39.014,59.561 h1.15 r90
  text "9.2" at 51.745,59.557 h1.15 r90
  text "9.1" at 59.349,59.563 h1.15 r90
  text "9.0" at 61.884,59.563 h1.15 r90
  text "6.2" at 33.914,59.535 h1.15 r90
  text "9.5" at 56.766,59.539 h1.15 r90
  text "7.7" at 16.372,57.97 h1.3
  text "10.0" at 73.168,57.888 h1.3
  text "6.3" at 16.372,55.431 h1.3
  text "9.4" at 73.123,55.335 h1.3
  text "UART" at 79.647,46.623 h2
  text "Programming/IO" at 8.484,44.952 h2
  text "SWDIO" at 6.475,41.661 h1.32 r90
  text "VTARG" at 6.656,27.202 h1.33 r90
  text "6" at 22.965,21.848 h1.52
  text "1" at 4.991,21.831 h1.52
  text "Power" at 52.79,21.086 h2
  text "Joystick" at 43.84,21.032 h2
  text "7" at 22.955,18.84 h1.52
  text "2" at 4.98,18.719 h1.52
  text "Ext / Conn" at 26.086,18.275 h1.8
  text "J9.3" at 51.155,17.096 h1.32 r90
  text "J9.2" at 53.315,17.069 h1.32 r90
  text "3.3V" at 44.836,17.056 h1.32 r90
  text "J10.2" at 38.189,16.985 h1.32 r90
  text "J10.0" at 42.469,16.994 h1.32 r90
  text "J9.1" at 55.304,16.998 h1.32 r90
  text "J9.0" at 57.664,16.998 h1.32 r90
  text "J5.3" at 59.65,16.998 h1.32 r90
  text "J5.2" at 61.407,16.998 h1.32 r90
  text "J5.1" at 63.274,16.998 h1.32 r90
  text "J5.0" at 64.917,16.998 h1.32 r90
  text "J10.4" at 33.204,16.974 h1.32 r90
  text "J10.3" at 35.43,16.975 h1.32 r90
  text "J10.1" at 40.359,16.965 h1.32 r90
  text "3" at 4.972,15.701 h1.52
  text "8" at 22.946,15.488 h1.52
  text "4" at 4.972,12.488 h1.52
  text "9" at 22.936,12.479 h1.52
  text "5" at 4.991,9.801 h1.52
  text "ERR" at 22.955,9.556 h1.52
  text "Status" at 11.144,4.983 h2
  text "USR IO" at 83.301,0.516 h2
Mechanical 2:
  lines w0.254: 5,0 cw(c5,5) 0,5 0,90 cw(c5,90) 5,95 90,95 cw(c90,90) 95,90 95,5 cw(c90,5) 90,0 5,0 ; 5,0 5,0

## Dimensions
90,0 to 90,95 on Mechanical 1
0,5 to 95,5 on Mechanical 1

## Text inside footprints (layer, text, board x,y; h text height)
J200: Mechanical 1 "PCB EDGE" at 94.452,48.984 h1 r90
P700: Top Overlay "5" at 2.27,40.85 h1.02 r90; Top Overlay "1" at 2.27,30.95 h1.02 r90
U400: Bottom Overlay "ECE 453" at 50.702,69.273 h1.02